# Altium PCB 19_2_Coupled_PP0.PcbDoc (part 4 of 5)
Units mil, origin at the board's own origin, x right, y up, seen from the top; angles counter-clockwise.
Board outline 3937.01 x 10826.77 mil, 10 copper layers (Layer_1 Top, Layer_2 GND Plane 1, Layer_3 Signal inner 1, Layer_4 Power Plane 1, Layer_5  Signal inner 2, Layer_6 GND Plane 2, Layer_7 Signal inner 3, Layer_8 Power Plane 2, Layer_9 GND Plane 3, Layer_10 Bottom), stack 69.4 mil thick; 120 components, 283 nets, 1231 pads, 1956 vias.
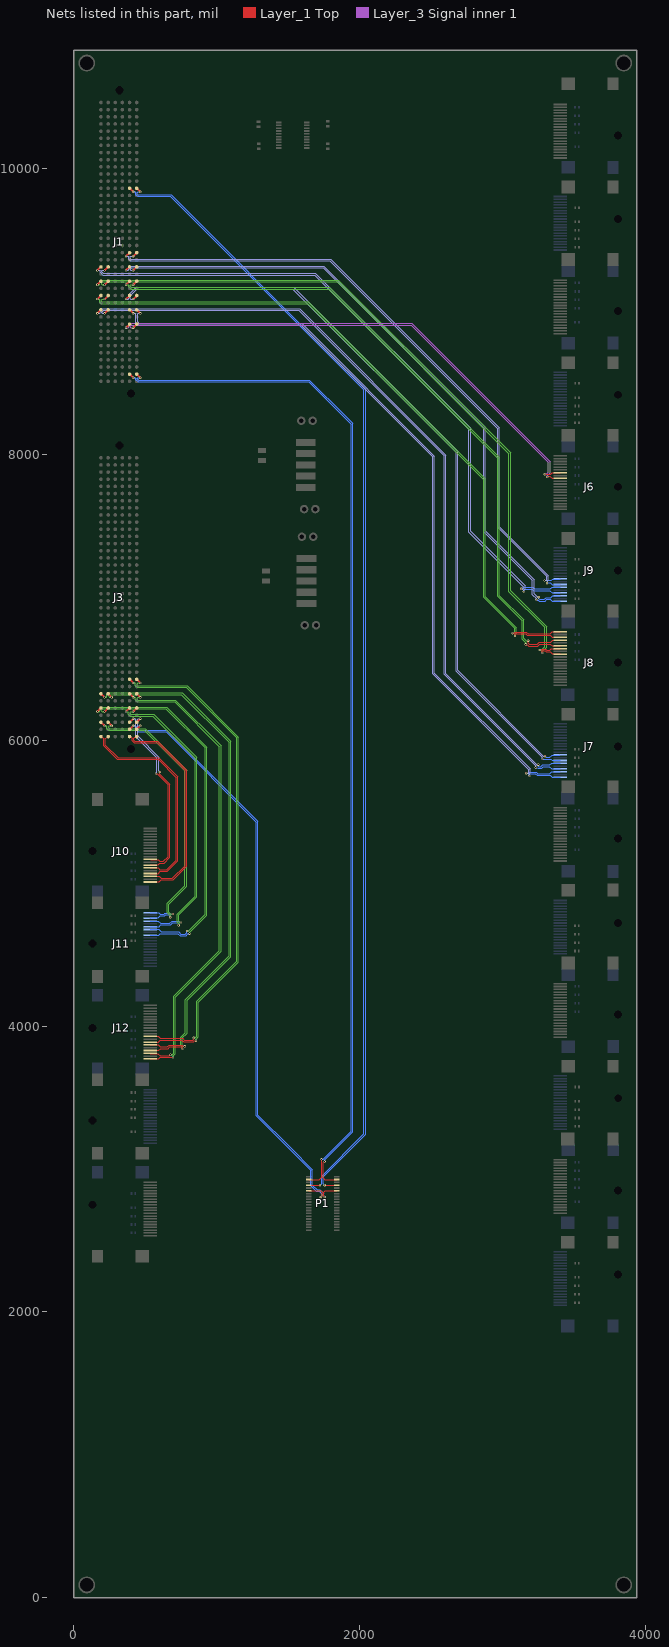
[diagram p12: the nets of this part, all layers, seen from the top]

## Via types
v1: diameter 16, hole 6, Layer_1 Top to Layer_10 Bottom, 1230 vias
v2: diameter 16, hole 6, Layer_1 Top to Layer_10 Bottom, tented both sides, 716 vias
v3: diameter 60, hole 40, Layer_1 Top to Layer_10 Bottom, 10 vias

## Nets (pads, with @x,y where several pads share a name; then routed paths per layer and width w, separated by ;. In a path a pad name is that pad's centre, name@x,y a point inside that pad or via, vN(x,y) a via of type N, cw(c..) or ccw(c..) an arc to the next point about the centre after c; other vN are vias at no path point) (continued)
T_9_n: J1.B9 J6.9 | length 3636.6
  Layer_1 Top w6: v2(3312,7840) 3313.26,7840 3320.51,7847.25 3329.75,7847.25 3345.97,7831.03 J6.9@3402.71,7831.03
  Layer_1 Top w10: v2(365,8885) J1.B9@390,8910
  Layer_3 Signal inner 1 w6: v2(365,8885) 380.49,8885 384,8888.51 384,8898.46 400.54,8915 2364.24,8915 3331,7948.24 3331,7869.02 3313.01,7851.03 3313.01,7841.01 v2(3312,7840)
T_9_p: J1.A9 J6.7 | length 3596.4
  Layer_1 Top w6: v2(3295,7860) 3336.83,7860 3347.23,7870.4 J6.7@3402.71,7870.4
  Layer_1 Top w10: v2(415,8885) J1.A9@440,8910
  Layer_3 Signal inner 1 w6: v2(415,8885) 399.51,8885 396,8888.51 396,8893.49 405.51,8903 2359.27,8903 3319,7943.27 3319,7873.99 3306.03,7861.01 3296.01,7861.01 v2(3295,7860)
T_11_n: J1.B11 J7.3 | length 5337.4
  Layer_1 Top w10: J1.B11@390,9010 v2(415,8985)
  Layer_7 Signal inner 3 w6: v2(415,8985) 430.49,8985 434,8981.49 434,8958.93 434.5,8958.43 434.5,8921.04 450.54,8905 1588.03,8905 2511,7982.03 2511,6464 3181,5794 3181,5772.8 3177.12,5768.92 3165.08,5768.92 v2(3165,5769)
  Layer_10 Bottom w6: v2(3165,5769) 3165.43,5768.57 3177.48,5768.57 3185.54,5776.63 3233.1,5776.63 3245.1,5764.63 3328,5764.63 3342.19,5778.81 J7.3@3401.71,5778.81
T_11_p: J1.A11 J7.1 | length 5334.5
  Layer_1 Top w10: J1.A11@440,9010 v2(465,8985)
  Layer_7 Signal inner 3 w6: v2(465,8985) 449.51,8985 446,8981.49 446,8963.9 446.5,8963.4 446.5,8926.01 455.51,8917 1593,8917 2523,7987 2523,6468.97 3193,5798.97 3193,5767.83 3186.92,5761.75 3186.92,5749.71 v2(3187,5749.63)
  Layer_10 Bottom w6: v2(3187,5749.63) 3186.57,5750.06 3186.57,5762.1 3190.09,5765.63 3228.55,5765.63 3240.55,5753.63 3332.1,5753.63 3346.28,5739.44 J7.1@3401.71,5739.44
T_12_n: J1.F11 J7.6 | length 5532.4
  Layer_1 Top w10: v2(165,8985) J1.F11@190,9010
  Layer_7 Signal inner 3 w6: v2(165,8985) 180.49,8985 184,8988.51 184,8998.46 203.59,9018.04 1578.93,9018.04 2603,7993.97 2603,6464.17 3237.72,5829.44 3248.24,5829.44 v2(3249,5828.68)
  Layer_10 Bottom w6: v2(3249,5828.68) 3249.41,5828.27 3249.41,5817.05 3253.78,5812.68 3267.19,5812.68 3280.74,5826.23 3330.55,5826.23 3342.19,5837.87 J7.6@3401.71,5837.87
T_12_p: J1.E11 J7.4 | length 5513.8
  Layer_1 Top w10: v2(215,8985) J1.E11@240,9010
  Layer_7 Signal inner 3 w6: v2(215,8985) 199.51,8985 196,8988.51 196,8993.49 208.56,9006.04 1573.96,9006.04 2591,7989 2591,6459.2 3230.24,5819.96 3230.24,5809.44 v2(3231,5808.68)
  Layer_10 Bottom w6: v2(3231,5808.68) 3231.41,5808.27 3242.63,5808.27 3249.22,5801.68 3271.75,5801.68 3285.3,5815.23 3325.45,5815.23 3342.19,5798.5 J7.4@3401.71,5798.5
T_13_n: J1.B13 J7.9 | length 5386.8
  Layer_1 Top w10: v2(365,9085) J1.B13@390,9110
  Layer_7 Signal inner 3 w6: v2(365,9085) 380.49,9085 384,9088.51 384,9114 437,9167 1538,9167 2686,8019 2686,6487.22 3284.72,5888.5 3295.24,5888.5 v2(3296,5887.74)
  Layer_10 Bottom w6: v2(3296,5887.74) 3296.78,5887.74 3304.51,5880 3330,5880 3345.46,5895.46 3400.25,5895.46 J7.9@3401.71,5896.92
T_13_p: J1.A13 J7.7 | length 5370.4
  Layer_1 Top w10: v2(415,9085) J1.A13@440,9110
  Layer_7 Signal inner 3 w6: v2(415,9085) 399.51,9085 396,9088.51 396,9109.03 441.97,9155 1533.03,9155 2674,8014.03 2674,6482.25 3277.24,5879.01 3277.24,5868.5 v2(3278,5867.74)
  Layer_10 Bottom w6: v2(3278,5867.74) 3337.83,5867.74 3348.02,5857.55 J7.7@3401.71,5857.55
T_14_n: J1.F13 J8.1 | length 4794.5
  Layer_1 Top w6: v2@3068,6748.33 3068.33,6748.66 3079.38,6748.66 3086.72,6756 3165.98,6756 3178.01,6743.97 3331.74,6743.97 3346.03,6758.26 3402.03,6758.26 J8.1@3402.28,6758.51
  Layer_1 Top w10: v2(165,9085) J1.F13@190,9110
  Layer_5  Signal inner 2 w6: v2(165,9085) 177.49,9085 181,9081.49 181,9063.54 191.54,9053 1635.03,9053 2866,7822.03 2866,6999 3083,6782 3083,6752.99 3079.03,6749.01 3069.01,6749.01 v2(3068,6748)
T_14_p: J1.E13 J8.3 | length 4800.8
  Layer_1 Top w6: v2(3086,6729) 3086.66,6729.66 3086.66,6740.38 3091.28,6745 3161.43,6745 3173.45,6732.97 3331.45,6732.97 3345.28,6719.14 J8.3@3402.28,6719.14
  Layer_1 Top w10: v2(215,9085) J1.E13@240,9110
  Layer_5  Signal inner 2 w6: v2(215,9085) 199.51,9085 193,9078.49 193,9068.51 196.51,9065 1640,9065 2878,7827 2878,7003.97 3095,6786.97 3095,6748.01 3087.01,6740.03 3087.01,6730.01 v2(3086,6729)
T_15_n: J1.B15 J8.6 | length 4784.4
  Layer_1 Top w6: v2(3161,6670) 3162.54,6668.46 3171.5,6668.46 3181.96,6658 3245.68,6658 3259.67,6671.99 3334.37,6671.99 3346.03,6660.34 3402.03,6660.34 J8.6@3402.28,6660.09
  Layer_1 Top w10: v2(365,9185) J1.B15@390,9210
  Layer_5  Signal inner 2 w6: v2(365,9185) 380.49,9185 384,9181.49 384,9171.54 400.54,9155 1783.03,9155 2965.5,7972.53 2965.5,7006.12 3136,6835.62 3136,6706.44 3160.7,6681.74 3160.7,6670.3 v2(3161,6670)
T_15_p: J1.A15 J8.4 | length 4772
  Layer_1 Top w6: v2(3178,6696) 3178,6677.51 3186.51,6669 3241.12,6669 3255.12,6682.99 3336.26,6682.99 3350.21,6696.94 3399.76,6696.94 J8.4@3402.28,6699.46
  Layer_1 Top w10: v2(415,9185) J1.A15@440,9210
  Layer_5  Signal inner 2 w6: v2(415,9185) 399.51,9185 396,9181.49 396,9176.51 405.51,9167 1788,9167 2977.5,7977.5 2977.5,7011.09 3148,6840.59 3148,6711.41 3164.68,6694.73 3176.73,6694.73 v2(3178,6696)
T_16_n: J1.F15 J8.9 | length 5114.3
  Layer_1 Top w6: v2(3278,6609) 3277.91,6609.09 3277.91,6621.13 3281.78,6625 3298.39,6625 3305.37,6618.02 3332.98,6618.02 3347.46,6603.54 3399.76,6603.54 J8.9@3402.28,6601.03
  Layer_1 Top w10: v2(165,9185) J1.F15@190,9210
  Layer_5  Signal inner 2 w6: v2(165,9185) 178.49,9185 182,9188.51 182,9206.36 192.54,9216.91 1848.09,9216.91 3056,8009 3056,7044 3306.89,6793.11 3306.89,6649.4 3278.26,6620.78 3278.26,6609.26 v2(3278,6609)
T_16_p: J1.E15 J8.7 | length 5068.6
  Layer_1 Top w6: v2(3260,6631) 3260.09,6630.91 3272.13,6630.91 3277.22,6636 3302.95,6636 3309.93,6629.02 3330.02,6629.02 3341.4,6640.4 J8.7@3402.28,6640.4
  Layer_1 Top w10: v2(215,9185) J1.E15@240,9210
  Layer_5  Signal inner 2 w6: v2(215,9185) 199.51,9185 194,9190.51 194,9201.39 197.51,9204.91 1843.12,9204.91 3044,8004.03 3044,7039.03 3294.89,6788.14 3294.89,6654.37 3271.78,6631.26 3260.26,6631.26 v2(3260,6631)
T_17_n: J1.B17 J9.3 | length 4554.8
  Layer_1 Top w10: v2(365,9285) J1.B17@390,9310
  Layer_7 Signal inner 3 w6: v2(365,9285) 380.49,9285 384,9288.51 384,9298.46 400.54,9315 1750,9315 2878,8187 2878,7463.81 3220,7121.81 3220,7023.48 3242.22,7001.26 3251.74,7001.26 v2(3253,7000)
  Layer_10 Bottom w6: v2(3253,7000) 3253.91,6999.09 3253.91,6988.87 3258.78,6984 3291.73,6984 3303.35,6995.63 3336,6995.63 3349.98,7009.61 3402.5,7009.61 J9.3@3402.71,7009.81
T_17_p: J1.A17 J9.1 | length 4534.3
  Layer_1 Top w10: v2(415,9285) J1.A17@440,9310
  Layer_7 Signal inner 3 w6: v2(415,9285) 399.51,9285 396,9288.51 396,9293.49 405.51,9303 1745.03,9303 2866,8182.03 2866,7458.84 3208,7116.84 3208,7018.51 3234.74,6991.78 3234.74,6982.26 v2(3236,6981)
  Layer_10 Bottom w6: v2(3236,6981) 3236.91,6980.09 3247.13,6980.09 3254.22,6973 3296.28,6973 3307.91,6984.63 3332.49,6984.63 3336,6981.11 3336,6980.63 3346.19,6970.44 J9.1@3402.71,6970.44
T_18_n: J1.F17 J9.6 | length 4672.2
  Layer_1 Top w10: v2(165,9285) J1.F17@190,9310
  Layer_7 Signal inner 3 w6: v2(165,9285) 180.49,9285 184,9281.49 184,9271.54 202.54,9253 1685.03,9253 2763,8175.03 2763,7455.49 3145,7073.49 3145,7063.33 3140.86,7059.18 3131.18,7059.18 v2(3130,7058)
  Layer_10 Bottom w6: v2(3130,7058) 3130.83,7058.83 3141.21,7058.83 3150.34,7067.96 3209.83,7067.96 3220.56,7057.23 3333.64,7057.23 3345.28,7068.87 J9.6@3402.71,7068.87
T_18_p: J1.E17 J9.4 | length 4675.6
  Layer_1 Top w10: v2(215,9285) J1.E17@240,9310
  Layer_7 Signal inner 3 w6: v2(215,9285) 199.51,9285 196,9281.49 196,9276.51 207.51,9265 1690,9265 2775,8180 2775,7460.46 3157,7078.46 3157,7058.36 3149.18,7050.54 3149.18,7040.86 v2(3148,7039.68)
  Layer_10 Bottom w6: v2(3148,7039.68) 3148.83,7040.51 3148.83,7050.89 3154.9,7056.96 3205.27,7056.96 3216,7046.23 3329.55,7046.23 3346.28,7029.5 J9.4@3402.71,7029.5
T_19_n: J1.B19 J9.9 | length 4476.4
  Layer_1 Top w10: v2(365,9385) J1.B19@390,9410
  Layer_7 Signal inner 3 w6: v2(365,9385) 380.49,9385 384,9381.49 384,9363.04 394.04,9353 1792,9353 2965.5,8179.5 2965.5,7488.09 3308,7145.59 3308,7122.49 3303.78,7118.26 3294.26,7118.26 v2(3293,7117)
  Layer_10 Bottom w6: v2(3293,7117) 3340.92,7117 3350.53,7126.61 3401.4,7126.61 J9.9@3402.71,7127.92
T_19_p: J1.A19 J9.7 | length 4477.2
  Layer_1 Top w10: v2(415,9385) J1.A19@440,9410
  Layer_7 Signal inner 3 w6: v2(415,9385) 399.51,9385 396,9381.49 396,9368.01 399.01,9365 1796.97,9365 2977.5,8184.47 2977.5,7493.06 3320,7150.56 3320,7117.51 3311.26,7108.78 3311.26,7099.26 v2(3310,7098)
  Layer_10 Bottom w6: v2(3310,7098) 3312.71,7098 v2@3313.44,7098.74 ; v2@3309.99,7098.74 v2@3313.44,7098.74 ; J9.7@3402.71,7088.55 3347.75,7088.55 3333.94,7102.37 3317.07,7102.37 v2@3313.44,7098.74
T_21_n: J3.B1 J10.3 | length 1447.8
  Layer_1 Top w6: J3.B1@390,6025 395.14,6025 401.27,6018.87 402.27,6018.87 409.5,6011.64 409.5,5995.07 423.07,5981.5 582.94,5981.5 778,5786.44 778,5120.71 690.29,5033 611.84,5033 597.6,5047.24 J10.3@534.65,5047.24
T_21_p: J3.A1 J10.1 | length 1465.9
  Layer_1 Top w6: J3.A1@440,6025 434.86,6025 428.73,6018.87 427.73,6018.87 420.5,6011.64 420.5,5999.86 427.86,5992.5 587.5,5992.5 789,5791 789,5116.15 694.85,5022 611.73,5022 597.6,5007.87 J10.1@534.65,5007.87
T_22_n: J3.F1 J10.6 | length 1469.4
  Layer_1 Top w6: J3.F1@190,6025 194.06,6025 209.5,6009.56 209.5,5960.5 305,5865 590.81,5865 717.26,5738.55 717.26,5159.47 650.79,5093 602.61,5093 589.32,5106.3 J10.6@534.65,5106.3
T_22_p: J3.E1 J10.4 | length 1488.3
  Layer_1 Top w6: J3.E1@240,6025 235.94,6025 220.5,6009.56 220.5,5965.06 309.56,5876 595.37,5876 728.26,5743.1 728.26,5154.91 655.35,5082 604.39,5082 589.31,5066.93 J10.4@534.65,5066.93
T_23_n: J3.B3 J10.9 | length 1265.4
  Layer_1 Top w6: J10.9@534.65,5165.35 537.16,5162.84 589.75,5162.84 601.43,5151.17 626.6,5151.17 660,5184.57 660,5687.49 582.4,5765.09 576.91,5765.09 v2(575,5767)
  Layer_1 Top w10: J3.B3@390,6125 v2(415,6150)
  Layer_7 Signal inner 3 w6: v2(415,6150) 430.49,6150 434,6146.49 434,6024.03 581.98,5876.05 581.98,5775.51 575,5768.53 v2(575,5767)
T_23_p: J3.A3 J10.7 | length 1275.7
  Layer_1 Top w6: J10.7@534.65,5125.98 537.16,5128.5 589.75,5128.5 601.43,5140.17 631.15,5140.17 671,5180.02 671,5692.05 608.65,5754.4 601.16,5761.88 600.1,5762.95 600.1,5774.59 v2(601.94,5776.43)
  Layer_1 Top w10: J3.A3@440,6125 v2(465,6150)
  Layer_7 Signal inner 3 w6: v2(465,6150) 449.51,6150 446,6146.49 446,6029 593.98,5881.02 593.98,5784.95 601.94,5776.99 v2(601.94,5776.43)
T_24_n: J3.F3 J11.3 | length 1984.7
  Layer_1 Top w10: J3.F3@190,6125 v2(215,6100)
  Layer_5  Signal inner 2 w6: v2(215,6100) 227.96,6100 231.48,6096.49 231.48,6080.68 243.68,6068.48 494.55,6068.48 777,5786.03 777,4981.89 653.39,4858.28 653.39,4792.87 674.12,4772.14 674.12,4761.87 v2(675,4760.99)
  Layer_10 Bottom w6: J11.3@534.65,4754.19 537.16,4756.7 589.73,4756.7 603.48,4770.45 635.83,4770.45 642.37,4776.99 669.98,4776.99 674.47,4772.5 674.47,4761.51 v2(675,4760.99)
T_24_p: J3.E3 J11.1 | length 1979.6
  Layer_1 Top w10: J3.E3@240,6125 v2(265,6100)
  Layer_5  Signal inner 2 w6: v2(265,6100) 249.51,6100 243.48,6093.96 243.48,6085.65 248.65,6080.48 499.52,6080.48 789,5791 789,4976.92 665.39,4853.31 665.39,4797.84 679.6,4783.64 691.64,4783.64 v2(692,4784)
  Layer_10 Bottom w6: J11.1@534.65,4793.56 593.44,4793.56 605.55,4781.45 631.28,4781.45 637.81,4787.99 674.54,4787.99 679.24,4783.28 691.28,4783.28 v2(692,4784)
T_25_n: J3.B5 J11.6 | length 2110.8
  Layer_1 Top w10: v2(365,6200) J3.B5@390,6225
  Layer_5  Signal inner 2 w6: v2(365,6200) 377.96,6200 381.48,6196.49 381.48,6180.68 393.68,6168.48 553.49,6168.48 848,5873.97 848,4908.87 722,4782.87 722,4726.52 732.42,4716.1 732.42,4706.58 v2(733.69,4705.32)
  Layer_10 Bottom w6: J11.6@534.65,4695.13 597.1,4695.13 609.01,4707.04 677.26,4707.04 691.54,4721.32 727.91,4721.32 732.78,4716.45 732.78,4706.23 v2(733.69,4705.32)
T_25_p: J3.A5 J11.4 | length 2110.7
  Layer_1 Top w10: v2(415,6200) J3.A5@440,6225
  Layer_5  Signal inner 2 w6: v2(415,6200) 399.51,6200 393.48,6193.96 393.48,6185.65 398.65,6180.48 558.46,6180.48 860,5878.94 860,4903.9 734,4777.9 734,4731.49 739.22,4726.26 748.74,4726.26 v2(750,4725)
  Layer_10 Bottom w6: J11.4@534.65,4734.5 534.88,4734.27 590.89,4734.27 607.12,4718.04 672.71,4718.04 686.99,4732.32 732.46,4732.32 738.87,4725.91 749.09,4725.91 v2(750,4725)
T_26_n: J3.F5 J11.9 | length 2584.4
  Layer_1 Top w10: v2(165,6200) J3.F5@190,6225
  Layer_5  Signal inner 2 w6: v2(165,6200) 177.96,6200 181.48,6203.51 181.48,6219.32 193.68,6231.52 648.5,6231.52 930,5950.02 930,4776.01 811.1,4657.11 811.1,4648.1 v2(809.59,4646.59)
  Layer_10 Bottom w6: J11.9@534.65,4636.08 592.81,4636.08 603.74,4647 727.91,4647 743.09,4631.82 785.1,4631.82 798.7,4645.43 808.43,4645.43 v2(809.59,4646.59)
T_26_p: J3.E5 J11.7 | length 2531.9
  Layer_1 Top w10: v2(215,6200) J3.E5@240,6225
  Layer_5  Signal inner 2 w6: v2(215,6200) 199.51,6200 193.48,6206.04 193.48,6214.35 198.65,6219.52 643.53,6219.52 918,5945.05 918,4780.99 803.53,4666.51 794.51,4666.51 v2(793,4665)
  Layer_10 Bottom w6: J11.7@534.65,4675.45 592.81,4675.45 610.26,4658 732.46,4658 747.64,4642.82 780.54,4642.82 791.84,4654.12 791.84,4663.84 v2(793,4665)
T_27_n: J3.B7 J12.3 | length 3246.2
  Layer_1 Top w6: J12.3@534.65,3809.5 536.05,3808.09 586.72,3808.09 603.5,3791.31 668.49,3791.31 676.17,3799 v2(677,3799)
  Layer_1 Top w10: J3.B7@390,6325 390,6324.77 415,6299.77 v2(415,6299.54)
  Layer_5  Signal inner 2 w6: v2(415,6299.54) 427.57,6299.54 431.08,6296.02 431.08,6281.08 443.68,6268.48 704.55,6268.48 1018,5955.03 1018,4528 698,4208 698,3810.49 687.78,3800.26 678.26,3800.26 v2(677,3799)
T_27_p: J3.A7 J12.1 | length 3274.4
  Layer_1 Top w6: J12.1@534.65,3770.13 592.81,3770.13 603,3780.31 v2@694,3780.31 ; v2@694,3781 v2@694,3780.31 ; v2@695,3780.62 694.38,3780 v2(694,3780) v2@694,3780.31
  Layer_1 Top w10: J3.A7@440,6325 440,6324.77 465,6299.77 v2(465,6299.54)
  Layer_5  Signal inner 2 w6: v2(465,6299.54) 449.51,6299.54 443.08,6293.1 443.08,6286.05 448.65,6280.48 709.52,6280.48 1030,5960 1030,4523.03 710,4203.03 710,3805.51 695.26,3790.78 695.26,3781.26 v2(694,3780)
T_28_n: J3.F7 J12.6 | length 3621.8
  Layer_1 Top w6: J12.6@534.65,3868.55 591.57,3868.55 606.18,3853.95 654.49,3853.95 667.54,3867 757.96,3867 765.28,3859.68 774.68,3859.68 v2(776,3858.37)
  Layer_1 Top w10: J3.F7@190,6325 v2(215,6300)
  Layer_5  Signal inner 2 w6: v2(215,6300) 227.96,6300 231.48,6303.51 231.48,6319.32 242.68,6330.52 758.29,6330.52 1098,5990.81 1098,4486.03 791.88,4179.91 791.88,3948.88 759.63,3916.63 759.63,3866.04 765.63,3860.04 774.33,3860.04 v2(776,3858.37)
T_28_p: J3.E7 J12.4 | length 3589.5
  Layer_1 Top w6: J12.4@534.65,3829.18 592.81,3829.18 606.58,3842.95 659.04,3842.95 672.1,3856 753.4,3856 758.68,3850.72 758.68,3841.32 v2(760,3840)
  Layer_1 Top w10: J3.E7@240,6325 v2(265,6300)
  Layer_5  Signal inner 2 w6: v2(265,6300) 249.51,6300 243.48,6306.04 243.48,6314.35 247.65,6318.52 753.32,6318.52 1086,5985.84 1086,4491 779.88,4184.88 779.88,3953.85 747.63,3921.6 747.63,3861.07 758.33,3850.37 758.33,3841.67 v2(760,3840)
T_29_n: J3.B9 J12.9 | length 3485.3
  Layer_1 Top w6: J12.9@534.65,3927.61 591.39,3927.61 605.79,3913.21 761.3,3913.21 773.09,3901.42 832.93,3901.42 837.95,3906.43 837.95,3916.37 v2(839,3917.42)
  Layer_1 Top w10: J3.B9@390,6425 v2(415,6400)
  Layer_5  Signal inner 2 w6: v2(415,6400) 427.96,6400 431.48,6396.49 431.48,6380.68 442.68,6369.48 787.01,6369.48 1140,6016.49 1140,4452.36 860,4172.36 860,3929.2 849.63,3918.83 840.41,3918.83 v2(839,3917.42)
T_29_p: J3.A9 J12.7 | length 3507.7
  Layer_1 Top w6: J12.7@534.65,3888.24 592.13,3888.24 606.1,3902.21 756.74,3902.21 768.53,3890.42 837.49,3890.42 844.01,3896.95 853.95,3896.95 v2(855,3898)
  Layer_1 Top w10: J3.A9@440,6425 v2(465,6400)
  Layer_5  Signal inner 2 w6: v2(465,6400) 449.51,6400 443.48,6393.96 443.48,6385.65 447.65,6381.48 791.98,6381.48 1152,6021.46 1152,4447.39 872,4167.39 872,3924.23 856.41,3908.63 856.41,3899.41 v2(855,3898)
vcan1_n: J1.A2 P1.4 | length 7157.5
  Layer_1 Top w6: v2(1754.74,3053) 1754.74,3051.97 1745,3042.23 1745,2937.26 1755.79,2926.47 P1.4@1840.18,2926.47
  Layer_1 Top w10: J1.A2@440,8560 v2(465,8535)
  Layer_10 Bottom w6: v2(465,8535) 449.01,8535 445.5,8531.49 445.5,8526.51 455.01,8517 1648.65,8517 1897.78,8267.87 1905.26,8260.38 1950,8215.65 1950,3260.01 1754.88,3064.9 1754.88,3053.15 v2(1754.74,3053)
vcan1_p: J1.B2 P1.3 | length 7155.2
  Layer_1 Top w6: P1.3@1643.33,2926.47 1717.53,2926.47 1733,2941.94 v2(1733,3068)
  Layer_1 Top w9: J1.B2@390,8560 v2(415,8535)
  Layer_10 Bottom w6: v2(415,8535) 430.99,8535 434.5,8531.49 434.5,8521.96 450.46,8506 1644.09,8506 1939,8211.09 1939,3264.57 1743.74,3069.31 1734.31,3069.31 v2(1733,3068)
vcan2_n: J1.A28 P1.8 | length 8008.3
  Layer_1 Top w6: v2(1754.74,2887.1) P1.8@1840.18,2887.1
  Layer_1 Top w10: J1.A28@440,9860 v2(465,9835)
  Layer_10 Bottom w6: v2(465,9835) 450.79,9835 445.5,9829.71 445.5,9820.06 450.56,9815 680.56,9815 1770.29,8725.26 1777.78,8717.78 2040.5,8455.06 2040.5,3242.78 1744.2,2946.48 1744.2,2901.34 1744.2,2896.37 1753.47,2887.1 v2(1754.74,2887.1)
vcan2_p: J1.B28 P1.7 | length 8002.1
  Layer_1 Top w6: P1.7@1643.33,2887.1 v2@1722.66,2887.1
  Layer_1 Top w10: J1.B28@390,9860 v2(415,9835)
  Layer_10 Bottom w6: v2(415,9835) 429.21,9835 434.5,9829.71 434.5,9815.5 446,9804 676,9804 2029.5,8450.5 2029.5,3247.33 1733.2,2951.03 1733.2,2905.9 1733.2,2896.37 1724.16,2887.33 v2(1722.66,2887.33)
vcan3_n: J3.A2 P1.12 | length 4148.6
  Layer_1 Top w6: v2(1755,2805) 1755,2805.77 1747.26,2813.51 1747.26,2837.26 1757.73,2847.73 P1.12@1840.18,2847.73
  Layer_1 Top w10: J3.A2@440,6075 v2(465,6100)
  Layer_10 Bottom w6: v2(465,6100) 449.01,6100 445.5,6096.49 445.5,6080.5 456,6070 650,6070 1288.1,5431.9 1288.1,3377.46 1510.29,3155.26 1517.78,3147.78 1669.5,2996.06 1669.5,2887.03 1701.53,2855 1722,2855 1747.16,2829.84 1747.16,2813.51 1755,2805.67 v2(1755,2805)
vcan3_p: J3.B2 P1.11 | length 4152.9
  Layer_1 Top w6: P1.11@1643.33,2847.73 1727.27,2847.73 1736.26,2838.74 1736.26,2811.83 1728.31,2803.89 v2(1728.31,2803.31)
  Layer_1 Top w10: J3.B2@390,6075 v2(415,6100)
  Layer_10 Bottom w6: v2(415,6100) 430.99,6100 434.5,6096.49 434.5,6075.94 451.44,6059 645.44,6059 1277.1,5427.35 1277.1,3372.9 1658.5,2991.5 1658.5,2882.47 1696.97,2844 1717.44,2844 1736.16,2825.29 1736.16,2811.83 1728.31,2803.99 v2(1728.31,2803.31)
pads on no net: J1.A31 J1.A33 J1.A35 J1.A37 J1.A39 J1.A40 J1.B31 J1.B33 J1.B35 J1.B37 J1.B39 J1.B40 J1.C31 J1.C32 J1.C33 J1.C34 J1.C35 J1.C36 J1.C37 J1.C38 J1.C39 J1.C40 J1.D32 J1.D33 J1.D34 J1.D35 J1.D36 J1.D37 J1.D38 J1.D39 J1.D40 J1.E31 J1.E33 J1.E35 J1.E36 J1.E37 J1.E38 J1.F31 J1.F33 J1.F35 J1.F36 J1.F37 J1.F38 J1.MH1 J1.MH2 J2.5 J2.6 J2.9 J2.11 J2.15 J2.16 J3.A11 J3.A12 J3.A13 J3.A14 J3.A15 J3.A16 J3.A17 J3.A18 J3.A19 J3.A25 J3.A28 J3.A29 J3.A30 J3.A32 J3.A34 J3.A36 J3.A38 J3.B11 J3.B12 J3.B13 J3.B14 J3.B15 J3.B16 J3.B17 J3.B18 J3.B19 J3.B25 J3.B28 J3.B29 J3.B30 J3.B32 J3.B34 J3.B36 J3.B38 J3.E11 J3.E12 J3.E13 J3.E14 J3.E15 J3.E16 J3.E17 J3.E18 J3.E19 J3.E29 J3.E30 J3.E31 J3.E32 J3.E33 J3.E34 J3.E35 J3.E36 J3.E37 J3.E38 J3.E39 J3.E40 J3.F11 J3.F12 J3.F13 J3.F14 J3.F15 J3.F16 J3.F17 J3.F18 J3.F19 J3.F29 J3.F30 J3.F31 J3.F32 J3.F33 J3.F34 J3.F35 J3.F36 J3.F37 J3.F38 J3.F39 J3.F40 J3.MH1 J3.MH2 J4.10 J4.12 J4.13 J4.14 J4.15 J4.16 J4.17 J4.18 J4.19 J4.20 J4.21 J4.22 J4.23 J4.24 J4.25 J5.10 J5.12 J5.13 J5.14 J5.15 J5.16 J5.17 J5.18 J5.19 J5.20 J5.21 J5.22 J5.23 J5.24 J5.25 J6.10 J6.12 J6.13 J6.14 J6.18 J6.19 J6.20 J6.21 J6.22 J6.23 J6.24 J6.25 J7.10 J7.12 J7.13 J7.14 J7.15 J7.16 J7.17 J7.18 J7.19 J7.20 J7.21 J7.22 J7.23 J7.24 J7.25 J8.10 J8.12 J8.13 J8.14 J8.15 J8.16 J8.17 J8.18 J8.19 J8.20 J8.21 J8.22 J8.23 J8.24 J8.25 J9.10 J9.12 J9.13 J9.14 J9.18 J9.19 J9.20 J9.21 J9.22 J9.23 J9.24 J9.25 J10.10 J10.12 J10.13 J10.14 J10.15 J10.16 J10.17 J10.18 J10.19 J10.20 J10.21 J10.22 J10.23 J10.24 J10.25 J11.10 J11.12 J11.13 J11.14 J11.15 J11.16 J11.17 J11.18 J11.19 J11.20 J11.21 J11.22 J11.23 J11.24 J11.25 J12.10 J12.12 J12.13 J12.14 J12.18 J12.19 J12.20 J12.21 J12.22 J12.23 J12.24 J12.25 J13.13 J13.14 J13.18 J13.19 J13.20 J13.21 J13.22 J13.23 J13.24 J13.25 J14.13 J14.14 J14.18 J14.19 J14.20 J14.21 J14.22 J14.23 J14.24 J14.25 J15.13 J15.14 J15.18 J15.19 J15.20 J15.21 J15.22 J15.23 J15.24 J15.25 J16.13 J16.14 J16.18 J16.19 J16.20 J16.21 J16.22 J16.23 J16.24 J16.25 J17.13 J17.14 J17.18 J17.19 J17.20 J17.21 J17.22 J17.23 J17.24 J17.25 J18.13 J18.14 J18.18 J18.19 J18.20 J18.21 J18.22 J18.23 J18.24 J18.25 J19.13 J19.14 J19.18 J19.19 J19.20 J19.21 J19.22 J19.23 J19.24 J19.25 J20.13 J20.14 J20.18 J20.19 J20.20 J20.21 J20.22 J20.23 J20.24 J20.25 J21.13 J21.14 J21.18 J21.19 J21.20 J21.21 J21.22 J21.23 J21.24 J21.25 J22.13 J22.14 J22.18 J22.19 J22.20 J22.21 J22.22 J22.23 J22.24 J22.25 P1.27 P1.28 P1.29 P1.30 P1.31 P1.32 P1.33 P1.34 P1.35 P1.36 P1.37 P1.38 P1.39 P1.40 P2.6 P2.7 P2.8 P2.9 P3.6 P3.7 P3.8 P3.9
copper on no net: | length 728.4
  Layer_1 Top w10: 390,7225 v2(415,7200) ; 440,7225 v2(465,7200) ; 3616.52,274.15 3685.6,205.07 ; 3685.6,39.26 3685.6,203.38 3758.94,276.72 ; 3737.41,75.29 cw(c3693.56,119.06) 3737.48,162.76

## Polygon pours and split planes (outlines as drawn)
GND on Layer_3 Signal inner 1 "GND_L03_P002" (solid, remove dead copper, pour order 2): 20,20 3920,20 3920,10800 20,10800.01
GND on Layer_1 Top "GND_L01_P001" (solid, remove dead copper, pour order 1): 20,20 3915,20 3915,10805 20,10805.01
GND on Layer_5  Signal inner 2 "GND_L05_P004" (solid, remove dead copper, pour order 4): 20,20 3920,20 3920,10809.99 20,10810
GND on Layer_7 Signal inner 3 "GND_L07_P005" (solid, remove dead copper, pour order 5): 20,20 3920,20 3920,10800 34.99,10800.01
GND on Layer_10 Bottom "GND_L10_P000" (solid, remove dead copper, pour order 0): 20,20.1 40.19,20.1 3915,20.1 3915,10805 20,10805.01
GND on Layer_2 GND Plane 1 (split plane): 3916.91,10806.67 3916.91,20.09 920,20.1 920,97 307,97 307,20.1 243.45,20.1 243.45,96.19 174.32,96.19 174.32,20.1 20.1,20.1 20.1,10806.67
LV_in_out_T on Layer_4 Power Plane 1 (split plane): 3916.91,10806.67 3916.91,20.09 920,20.1 920,97.59 457.87,97.59 457.87,20.1 382.68,20.1 382.68,96.57 174,96.57 174,20.1 20.1,20.1 20.1,5454.44 1935.35,5454.44 1937.31,5454.69 1939.13,5455.45 1940.7,5456.65 1941.9,5458.22 1942.66,5460.04 1942.91,5462 1942.91,7312.44 2840,7312.44 2841.96,7312.69 2843.78,7313.45 2845.35,7314.65 2846.55,7316.22 2847.31,7318.04 2847.56,7320 2847.56,10622 2847.31,10623.96 2846.55,10625.78 2845.35,10627.35 2843.78,10628.55 2841.96,10629.31 2840,10629.56 1653.15,10629.56 504,10629.56 502.04,10629.31 500.22,10628.55 498.65,10627.35 105.65,10234.35 104.45,10232.78 103.69,10230.96 103.44,10229 103.44,9886 103.69,9884.04 104.45,9882.22 105.65,9880.65 107.22,9879.45 109.04,9878.69 111,9878.44 219,9878.44 220.96,9878.69 222.78,9879.45 224.35,9880.65 225.38,9882 1700.82,9882 2213.44,9369.39 2213.44,7713.56 637.52,7713.56 637.52,7921.73 637.26,7923.69 636.51,7925.52 635.31,7927.08 633.74,7928.29 631.92,7929.04 629.96,7929.3 20.1,7929.3 20.1,10806.67
LV_in_out_Q on Layer_4 Power Plane 1 (split plane): 309.65,7244.65 311.22,7243.45 313.04,7242.69 315,7242.44 1242,7242.43 1243.96,7242.69 1245.03,7243.13 1245.78,7243.45 1247.35,7244.65 1315.13,7312.44 1927.78,7312.44 1927.78,5469.56 20.1,5469.56 20.1,7392.44 161.87,7392.44
HV_TRIPLET4 on Layer_4 Power Plane 1 (split plane): 2832.44,7327.56 1935.35,7327.56 1312,7327.57 1310.04,7327.31 1308.22,7326.55 1306.65,7325.35 1238.87,7257.56 318.13,7257.56 170.35,7405.35 168.78,7406.55 166.96,7407.31 165,7407.56 20.1,7407.56 20.1,7914.17 622.39,7914.17 622.39,7757.56 314,7757.56 312.04,7757.31 310.22,7756.55 308.65,7755.35 307.45,7753.78 306.69,7751.96 306.44,7750 306.44,7425 306.69,7423.04 307.45,7421.22 308.65,7419.65 310.22,7418.45 312.04,7417.69 314,7417.44 2629,7417.44 2630.96,7417.69 2632.78,7418.45 2634.35,7419.65 2635.55,7421.22 2636.31,7423.04 2636.56,7425 2636.56,10256 2636.31,10257.96 2635.55,10259.78 2634.35,10261.35 2632.78,10262.55 2630.96,10263.31 2629,10263.56 1713.44,10263.56 1711.48,10263.31 1709.65,10262.55 1708.48,10261.65 1707.3,10262.55 1705.48,10263.31 1703.52,10263.56 1660.71,10263.56 1660.71,10614.44 2832.44,10614.44
HV_QUAD4 on Layer_4 Power Plane 1 (split plane): 2399.44,9867.87 2399.44,7588.07 591.63,7588.07 524.43,7655.27 522.87,7656.47 521.04,7657.22 519.08,7657.48 443.21,7657.48 443.2,7657.48 441.25,7657.22 439.42,7656.47 437.86,7655.27 437.85,7655.27 363.09,7580.5 321.56,7580.5 321.56,7742.44 622.39,7742.44 622.39,7706 622.65,7704.04 623.41,7702.22 624.61,7700.65 626.18,7699.45 628,7698.69 629.96,7698.44 2221,7698.44 2222.96,7698.69 2224.78,7699.45 2226.35,7700.65 2227.55,7702.22 2228.31,7704.04 2228.56,7706 2228.56,9372.52 2228.31,9374.48 2227.86,9375.55 2227.55,9376.3 2226.35,9377.87 1711.08,9893.13 1711.08,10133.84 1711.22,10133.74 1713.04,10132.98 1715,10132.73 1765.29,10132.73 1767.25,10132.98 1768.32,10133.43 1769.07,10133.74 1770.64,10134.94 1803.13,10167.44 2099.87,10167.44
HV_QUAD2 on Layer_4 Power Plane 1 (split plane): 1711.48,10248.69 1713.44,10248.44 2621.44,10248.44 2621.44,7432.56 321.56,7432.56 321.56,7565.37 366.23,7565.37 368.18,7565.63 369.25,7566.07 370.01,7566.39 371.58,7567.59 446.34,7642.35 515.95,7642.35 583.15,7575.15 584.71,7573.95 586.54,7573.2 588.5,7572.94 2407,7572.94 2408.96,7573.2 2410.78,7573.95 2412.35,7575.15 2413.55,7576.72 2414.31,7578.55 2414.56,7580.5 2414.56,9871 2414.31,9872.96 2413.55,9874.78 2412.35,9876.35 2108.35,10180.35 2106.78,10181.55 2104.96,10182.31 2103,10182.56 1800,10182.56 1798.04,10182.31 1796.22,10181.55 1794.65,10180.35 1762.16,10147.86 1715,10147.86 1713.04,10147.6 1711.22,10146.84 1711.08,10146.74 1711.08,10248.86
HV_TRIPLET_rtn on Layer_4 Power Plane 1 (split plane): 1645.58,10259.28 1615.02,10228.72 1440.54,10228.72 1378.48,10290.78 1376.91,10291.99 1376.16,10292.3 1375.09,10292.74 1373.13,10293 362.44,10293 362.43,10293 360.48,10292.74 358.65,10291.99 357.09,10290.78 213.65,10147.35 212.45,10145.78 211.69,10143.96 211.44,10142 211.44,9893.56 118.56,9893.56 118.56,10225.87 507.13,10614.43 1645.58,10614.44
HV_Quad_rtn on Layer_4 Power Plane 1 (split plane): 1432.06,10215.81 1433.63,10214.61 1435.45,10213.85 1437.41,10213.59 1618.16,10213.59 1620.12,10213.85 1621.94,10214.61 1623.51,10215.81 1656.13,10248.44 1695.95,10248.44 1695.95,9897.13 226.56,9897.13 226.56,10138.87 365.57,10277.87 1370,10277.87
GND on Layer_6 GND Plane 2 (split plane): 3916.91,10806.67 3916.91,20.09 920,20.1 920,97.15 610.94,97.15 610.94,20.1 525,20.1 525,96.57 174,96.57 174,20.1 20.1,20.1 20.1,10806.67
LV_rtn_out_T on Layer_8 Power Plane 2 (split plane): 3916.91,10806.67 3916.91,20.09 920,20.1 920,97.59 742,97.59 742,20.1 661.46,20.1 661.46,97.57 174,97.57 174,20.1 20.1,20.1 20.1,4353.28 20.23,4354.33 20.1,4355.38 20.1,6059.44 2465,6059.44 2466.96,6059.69 2468.78,6060.45 2470.35,6061.65 2471.55,6063.22 2472.31,6065.04 2472.56,6067 2472.57,7372.26 2472.31,7374.22 2471.55,7376.05 2470.35,7377.61 2468.78,7378.81 2466.96,7379.57 2465,7379.83 932.53,7379.83 2804.35,9251.65 2805.55,9253.22 2806.31,9255.04 2806.56,9257 2806.56,10501 2806.31,10502.96 2805.55,10504.78 2804.35,10506.35 2640.35,10670.35 2638.78,10671.55 2638.03,10671.86 2636.96,10672.31 2635,10672.56 1146,10672.56 1144.04,10672.31 1142.22,10671.55 1140.65,10670.35 1006.65,10536.35 1005.45,10534.78 1004.69,10532.96 1004.44,10531 1004.44,10061 1004.69,10059.04 1005.45,10057.22 1006.65,10055.65 1131.51,9930.8 1133.07,9929.59 1134.9,9928.84 1136.85,9928.58 1136.86,9928.58 1765.44,9928.58 1765.44,9217.27 480.73,7932.56 397.55,7932.56 399.5,10174.4 507.74,10174.3 509.7,10174.56 511.52,10175.31 513.09,10176.51 514.29,10178.08 515.05,10179.9 515.31,10181.86 515.44,10335.92 515.19,10337.88 514.43,10339.7 513.23,10341.27 511.67,10342.48 509.84,10343.23 507.89,10343.49 291.25,10343.68 289.29,10343.42 287.46,10342.67 285.9,10341.47 284.69,10339.9 283.94,10338.08 283.68,10336.12 282.22,8667.41 20.1,8667.64 20.1,10806.67
HV_TRIPLET3 on Layer_8 Power Plane 2 (split plane): 500.31,10328.37 500.19,10189.44 391.95,10189.53 389.99,10189.28 388.16,10188.52 386.59,10187.32 385.39,10185.76 384.63,10183.93 384.37,10181.98 382.41,7925.01 382.44,7924.84 382.44,7811 382.44,7674 382.44,7630 382.44,7525 382.44,7500 382.44,7379.83 20.1,7379.83 20.1,8652.51 289.78,8652.27 291.73,8652.53 293.56,8653.28 295.13,8654.49 296.33,8656.05 297.09,8657.88 297.35,8659.83 298.8,10328.54
LV_rtn_out_Q on Layer_8 Power Plane 2 (split plane): 2457.44,6074.56 20.1,6074.56 20.1,7364.7 388.03,7364.7 388.04,7364.69 390,7364.44 914,7364.44 915.96,7364.69 915.97,7364.7 2457.44,7364.7
HV_QUAD1 on Layer_8 Power Plane 2 (split plane): 2580.44,10388.8 2580.44,9381.13 731.87,7532.56 397.56,7532.56 397.56,7643.44 646,7643.44 647.96,7643.69 649.03,7644.14 649.78,7644.45 651.35,7645.65 2345.35,9339.65 2346.55,9341.22 2347.31,9343.04 2347.56,9345 2347.56,10330 2347.31,10331.96 2346.55,10333.78 2345.35,10335.35 2210.35,10470.35 2208.78,10471.55 2206.96,10472.31 2205,10472.56 1320,10472.56 1318.04,10472.31 1316.22,10471.55 1314.65,10470.35 1268.87,10424.57 1267.67,10423 1266.91,10421.18 1266.65,10419.22 1266.65,10289 1266.91,10287.04 1267.67,10285.22 1268.87,10283.65 1270.44,10282.45 1272.26,10281.69 1274.22,10281.44 1429.06,10281.44 1431.01,10281.69 1432.84,10282.45 1434.4,10283.65 1520.19,10369.44 1765.44,10369.44 1765.44,10109.56 1279.13,10109.56 1150.56,10238.13 1150.56,10469.22 1238.78,10557.44 2411.8,10557.44
HV_QUAD3 on Layer_8 Power Plane 2 (split plane): 2791.44,10497.87 2791.44,9260.13 911.13,7379.83 397.56,7379.83 397.56,7517.44 735,7517.44 736.96,7517.69 738.03,7518.14 738.78,7518.45 740.35,7519.65 2593.35,9372.65 2594.55,9374.22 2595.31,9376.04 2595.56,9378 2595.56,10391.94 2595.31,10393.89 2594.55,10395.72 2593.35,10397.28 2593.35,10397.29 2420.28,10570.35 2418.72,10571.55 2416.89,10572.31 2414.94,10572.56 1235.65,10572.56 1233.69,10572.31 1231.87,10571.55 1230.3,10570.35 1137.65,10477.7 1136.45,10476.13 1135.69,10474.31 1135.44,10472.35 1135.44,10235 1135.69,10233.04 1136.45,10231.22 1137.65,10229.65 1270.65,10096.65 1272.22,10095.45 1274.04,10094.69 1276,10094.44 1765.44,10094.44 1765.44,9943.71 1139.99,9943.71 1019.56,10064.13 1019.56,10527.87 1149.13,10657.44 2631.87,10657.44
HV_TRIPLET2 on Layer_8 Power Plane 2 (split plane): 2023.76,9273.13 569.2,7818.56 397.56,7818.56 397.56,7917.44 483.87,7917.44 485.82,7917.69 486.89,7918.14 487.65,7918.45 489.22,7919.65 1778.35,9208.78 1779.55,9210.35 1780.31,9212.18 1780.56,9214.13 1780.56,10369.44 2023.76,10369.44
HV_TRIPLET1 on Layer_8 Power Plane 2 (split plane): 2332.44,10326.87 2332.44,9348.13 642.87,7658.56 397.56,7658.56 397.56,7803.44 572.33,7803.44 574.29,7803.69 576.11,7804.45 577.68,7805.65 2036.68,9264.65 2037.88,9266.22 2038.19,9266.97 2038.64,9268.04 2038.89,9270 2038.89,10377 2038.64,10378.96 2037.88,10380.78 2036.68,10382.35 2035.11,10383.55 2033.29,10384.31 2031.33,10384.56 1517.06,10384.56 1515.1,10384.31 1513.27,10383.55 1511.71,10382.35 1425.92,10296.56 1281.78,10296.56 1281.78,10416.08 1323.13,10457.44 2201.87,10457.44
GND on Layer_9 GND Plane 3 (split plane): 3916.91,10806.67 3916.91,20.09 920,20.1 920,97 814,97 814,20.1 742,20.1 742,95 174.32,95 174.32,20.1 20.1,20.1 20.1,10806.67

## Other copper
Layer_1 Top:
  text "ATLAS 19_2_COUPLED BOARD" at 1548,1554 h60
  text "PC-256-101-14-C00" at 1697,1432.35 h60
  text "Layer_1 Top" at 7220.45,1062.97 h45
  text "1" at 8952.45,1055.97 h45
  text "17" at 9318,1049 h45
  text "20" at 3654.78,254.26 h45
  text "PC-" at 7111,196 h70
  text "1" at 204.32,33.61 h45
Layer_3 Signal inner 1:
  text "Layer_3 Inner Signal 1" at 7220.45,1062.97 h45
  text "3" at 8935.72,1055.97 h45
  text "17" at 9318,1049 h45
  text "PC-" at 7111,196 h70
  text "3" at 335,34 h45
Layer_5  Signal inner 2:
  text "Layer_5 Inner Signal 2" at 7220.45,1062.97 h45
  text "5" at 8952.45,1055.97 h45
  text "17" at 9318,1049 h45
  text "PC-" at 7111,196 h70
  text "5" at 461,34 h45
Layer_7 Signal inner 3:
  text "Layer_7 Inner Signal 3" at 7220.45,1062.97 h45
  text "7" at 8952.45,1055.97 h45
  text "17" at 9318,1049 h45
  text "PC-" at 7111,196 h70
  text "7" at 616,34 h45
Layer_10 Bottom:
  pour cut-out: 174.32,18.61 174.32,94.61 920,94.61 920,18.61
  text "Layer_10 Bottom" at 7220.45,1062.97 h45
  text "10" at 8935.72,1055.97 h45
  text "17" at 9318,1049 h45
  text "PC-" at 7111,196 h70
  text "10" at 826,34 h45
Layer_2 GND Plane 1 (plane layer: these items are gaps in the copper):
  rectangle: 307,19.43 920,97
  rectangle: 174.32,18.61 243.45,96.19
  text "Layer_2 GND Plane 1" at 7220.45,1062.97 h45
  text "2" at 8952.45,1055.97 h45
  text "17" at 9318,1049 h45
  text "GND" at 437,493 h40
  text "PC-" at 7111,196 h70
  text "2" at 259.32,33.61 h45
Layer_4 Power Plane 1 (plane layer: these items are gaps in the copper):
  rectangle: 457.87,20.02 920,97.59
  rectangle: 174,19 382.68,96.57
  lines w15: -1,7921.73 629.96,7921.73 629.96,7706 2221,7706 2221,9372.52 1703.52,9890 ; 219,9886 111,9886 111,10229 504,10622 1653.15,10622 ; 314,7572.94 366.23,7572.94 443.2,7649.92 519.08,7649.92 588.5,7580.5 2407,7580.5 2407,9871 2103,10175 1800,10175 1765.29,10140.29 1715,10140.29 ; 626.59,7750 314,7750 314,7425 2629,7425 2629,10256 1713.44,10256 ; 630.38,7706 1893,7706 ; 1653,10256 1618.16,10221.16 1437.41,10221.16 1373.13,10285.44 362.43,10285.43 219,10142 219,9889.56 1703.52,9889.56 1703.52,10256 1653.15,10256 1653.15,10622 ; 1653.15,10622 2840,10622 2840,7320 1935.35,7320 ; 1935.35,7320 1312,7320 1242,7250 315,7250 165,7400 -12,7400 -12,5462 1935.35,5462 1935.35,7320
  text "HV_TRIPLET4" at 2302,10553 h40
  text "HV_TRIPLET_rtn" at 960,10534.34 h40
  text "HV_QUAD2" at 2547,10209 h40 r270
  text "HV_Quad_rtn" at 1244,9947 h40
  text "HV_QUAD4" at 2330,9860 h40 r270
  text "LV_in_out_Q" at 1245,5775 h40
  text "LV_in_out_T" at 2260,5760 h40
  text "Layer_4 Power Plane 2" at 7220.45,1062.97 h45
  text "4" at 8935.72,1055.97 h45
  text "17" at 9318,1049 h45
  text "PC-" at 7111,196 h70
  text "4" at 400,30 h45
Layer_8 Power Plane 2 (plane layer: these items are gaps in the copper):
  rectangle: 174,20 661.46,97.57
  rectangle: 742,20.02 920,97.59
  lines w15: 5,4362 12.67,4354.33 ; 8.09,8660.08 289.78,8659.84 291.24,10336.12 507.88,10335.93 507.74,10181.87 391.94,10181.97 389.98,7925 ; 390,7500 390,7525 735,7525 2588,9378 2588,10391.94 2414.94,10565 1235.65,10565 1143,10472.35 1143,10235 1276,10102 1773,10102 ; 390,7630 390,7811 ; 390,7651 646,7651 2340,9345 2340,10330 2205,10465 1320,10465 1274.22,10419.22 1274.22,10289 1429.06,10289 1517.06,10377 1778,10377 ; 390,7674 390,7372 914,7372 2799,9257 2799,10501 2635,10665 1146,10665 1012,10531 1012,10061 1136.85,9936.15 1771.07,9936.15 ; 391,7812 390,7811 ; 390,7811 572.33,7811 2031.33,9270 2031.33,10377 1773,10377 1773,9214.13 483.87,7925 390,7925 ; 390,7811 390,7925 ; -10,6067 2465,6067 2465,7372.26 -10,7372.26 -10,6067
  text "HV_QUAD3" at 2725,10497.87 h40 r270
  text "HV_QUAD1" at 2455,10445 h40 r270
  text "HV_TRIPLET2" at 1905,9750 h40 r270
  text "HV_TRIPLET1" at 2115,9685 h40 r270
  text "LV_TRIPLET3" at 55,8265 h40 r270
  text "LV_rtn_Out _Q" at 1681.33,6265 h40
  text "LV_rtn_out_T" at 2457.44,5887.74 h40
  text "Layer_8 Power Plane 2" at 7220.45,1062.97 h45
  text "8" at 8952.45,1055.97 h45
  text "17" at 9318,1049 h45
  text "PC-" at 7111,196 h70
  text "8" at 688,36 h45
Layer_6 GND Plane 2 (plane layer: these items are gaps in the copper):
  rectangle: 610.94,19.58 920,97.15
  rectangle: 174,19 525,96.57
  text "Layer_6 GND Plane 2" at 7220.45,1062.97 h45
  text "6" at 8952.45,1055.97 h45
  text "17" at 9318,1049 h45
  text "GND" at 438,582 h40
  text "PC-" at 7111,196 h70
  text "6" at 550,35 h45
Layer_9 GND Plane 3 (plane layer: these items are gaps in the copper):
  rectangle: 174.32,20.02 742,95
  rectangle: 814,19.43 920,97
  text "Layer_9 GND Plane 3" at 7220.45,1062.97 h45
  text "9" at 8952.45,1055.97 h45
  text "17" at 9318,1049 h45
  text "GND" at 436,669 h40
  text "PC-" at 7111,196 h70
  text "9" at 760,36 h45
Multi-Layer:
  pour cut-out: 174.32,18.61 174.32,95 920,95 920,19 174,19

## Silkscreen, mask and mechanical layers (free items; w line width, h text height)
Top Overlay:
  drawing of 979 lines, arcs and shapes, not listed
  text "QUAD2" at 2990,10240 h60 r90
  text "HV" at 1900,10201.95 h60
  text "30" at 595,9950 h30
  text "QUAD5" at 2990,9490 h60 r90
  text "20" at 595,9445 h30
  text "10" at 595,8950 h30
  text "QUAD4" at 2986.47,8934.38 h60 r90
  text "1" at 595,8485 h30
  text "QUAD1" at 2990,8280 h60 r90
  text "LV_Tripplet" at 1947.16,7904.63 h60
  text "T_1C" at 2980,7660 h60 r90
  text "30" at 595,7465 h30
  text "LV_Quad" at 1947.16,7102.78 h60
  text "T_2C" at 2998.28,7049.68 h60 r90
  text "20" at 595,6960 h30
  text "10" at 595,6465 h30
  text "T_2B" at 2980,6460 h60 r90
  text "1" at 591.54,6020 h30
  text "T_2A" at 2980,5760 h60 r90
  text "T_3A" at 1070,5340 h60 r270
  text "QUAD3" at 2990,5200 h60 r90
  text "T_3B" at 1070,4740 h60 r270
  text "T_1B" at 2980,4560 h60 r90
  text "T_3C" at 1070,4090 h60 r270
  text "T_1A" at 2980,4060 h60 r90
  text "QUAD6" at 1060,3540 h60 r270
  text "QUAD10" at 2990,3260 h60 r90
  text "QUAD7" at 1060,2840 h60 r270
  text "QUAD9" at 2995,2710 h60 r90
  text "QUAD8" at 2990,2010 h60 r90
  text "ATLAS 19_2_COUPLED BOARD" at 1548,1554 h60
  text "PC-256-101-14-C00" at 1697,1432.35 h60
  text "S/N" at 1702,1284 h60
  text "SILKSCREEEN TOP" at 7220.45,1062.97 h45
  text "13" at 8935.72,1055.97 h45
  text "17" at 9318,1049 h45
  text "PC-" at 7111,196 h70
Bottom Overlay:
  text "QUAD5" at 2926,9780.37 h60 r270
  text "QUAD1" at 2916,8534.09 h60 r270
  text "T_2C" at 2953.6,7285.4 h60 r270
  text "T_2A" at 2980,5990 h60 r90
  text "T_1B" at 2976.04,4783.22 h60 r90
  text "T_3B" at 1069,4512.47 h60 r270
  text "QUAD10" at 2997.11,3593.05 h60 r90
  text "QUAD6" at 1060,3249.2 h60 r270
  text "QUAD8" at 2991.13,2291.17 h60 r90
  text "ATLAS 19_2_COUPLED BOARD" at 2792,1555 h60
  text "PC-256-101-14-C00" at 2633,1434.33 h60
  text "SILKSCREEN Bottom" at 7220.45,1062.97 h45
  text "14" at 8952.45,1055.97 h45
  text "17" at 9318,1049 h45
  text "PC-" at 7111,196 h70
Top Paste:
  text "SOLDER PASTE TOP" at 7216,1056 h45
  text "15" at 8935.72,1050.11 h45
  text "17" at 9318,1049 h45
  text "PC-" at 7111,196 h70
Bottom Paste:
  text "SOLDER PASTE BOTTOM" at 7216,1056 h45
  text "16" at 8935.72,1050.11 h45
  text "17" at 9318,1049 h45
  text "PC-" at 7111,196 h70
Top Solder:
  text "Solder Mask Top" at 7205.6,1060.14 h45
  text "11" at 8952.45,1055.97 h45
  text "17" at 9318,1049 h45
  text "PC-" at 7111,196 h70
Bottom Solder:
  text "Solder Mask Bottom" at 7204.27,1060.14 h45
  text "12" at 8952.45,1055.97 h45
  text "17" at 9318,1049 h45
  text "PC-" at 7111,196 h70
Title Block:
  drawing of 2811 lines, arcs and shapes, not listed
  text "." at -488,10990 h50
  text "(VIEWED FROM TOP)" at 6371,1271 h45
  text "SHT" at 8680.72,1050.11 h45
  text "OF" at 9130.72,1045.11 h45
  text "U.S. DEPARTMENT OF" at 5778.72,992.11 h125
  text "ENERGY" at 6108.72,837.11 h125
  text ".Line1_TB_Top_Level_Assembly" at 7118.72,817.11 h70
  text "NATIONAL ACCELERATOR LABORATORY" at 4343,699 h50
  text ".Line2_TB_Project_Name" at 7108.72,657.11 h70
  text ".Line3_TB_Board_Name" at 7117,493 h70
  text "ENGR:" at 4363.72,487.11 h45
  text ".SLAC_ENGINEER" at 4639.72,487.11 h45
  text "DATE:" at 5593.72,487.11 h45
  text ".SLAC_ENG_DATE" at 5829.72,487.11 h45
  text "CHKR:" at 4363.72,337.11 h45
  text ".SLAC_CHECKER" at 4642.72,337.11 h45
  text "DATE:" at 5586.72,337.11 h45
  text ".SLAC_CHK_DATE" at 5832.72,337.11 h45
  text "REVISION" at 8875.72,280.11 h40
  text ".PC_NUMBER" at 7358.72,197.11 h70
  text "B" at 9305.72,190.11 h70
  text "DSGN:" at 4363.72,187.11 h45
  text ".SLAC_PCB_DSGN" at 4642.72,187.11 h45
  text "DATE:" at 5589.72,187.11 h45
  text ".SLAC_PCB_DSGN_DATE" at 5836.72,187.11 h45
  text ".PC_Revision" at 8935.72,180.11 h70
  text ".Print_Time" at 7870.16,64.65 h45
  text ".Print_Date" at 7415.16,59.65 h45
  text ".SPIRES" at 8445.16,59.65 h45
Assembly Drawing Top:
  text "Assembly Drawing Top" at 7220.45,1062.97 h45
  text "1" at 8944,1055.97 h45
  text "2" at 9344,1049 h45
  text "SA-" at 7111,196 h70
Assembly Drawing Bottom:
  text "Assembly Drawing Bottom" at 7220.45,1062.97 h45
  text "2" at 8952.45,1055.97 h45
  text "2" at 9344,1049 h45
  text "SA-" at 7111,196 h70